# Altium PCB PCB1.PcbDoc (part 2 of 2)
Units mm, origin at the board's own origin, x right, y up, seen from the top; angles counter-clockwise.
Board outline 74.2 x 44.2 mm, 4 copper layers (Top Layer, Signal Layer 1, Signal Layer 2, Bottom Layer), stack 0.778 mm thick; 125 components, 98 nets, 589 pads, 210 vias.
Unrouted connection lines stored in the file: 7.
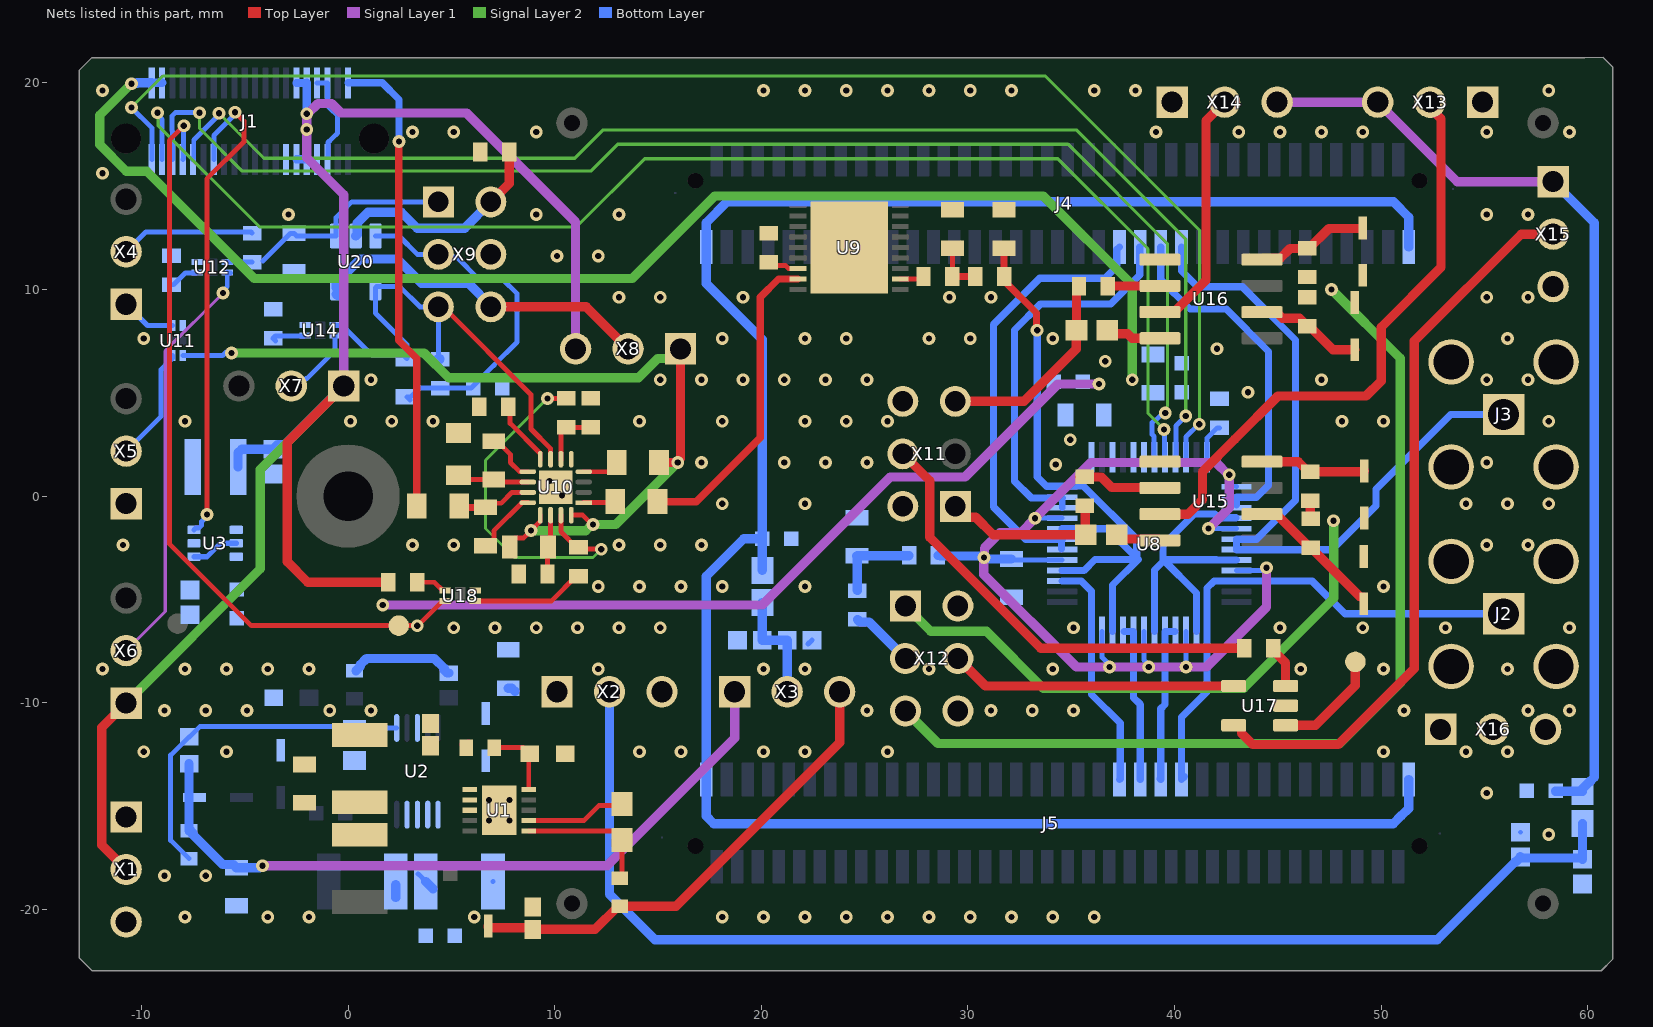
[diagram p4: the nets of this part, all layers, seen from the top]

## Via types
v1: diameter 0.62, hole 0.3, Top Layer to Bottom Layer, tented both sides, 204 vias
v2: diameter 0.62, hole 0.3, Top Layer to Bottom Layer, tented bottom, 6 vias

## Nets (pads, with @x,y where several pads share a name; then routed paths per layer and width w, separated by ;. In a path a pad name is that pad's centre, name@x,y a point inside that pad or via, vN(x,y) a via of type N, cw(c..) or ccw(c..) an arc to the next point about the centre after c; other vN are vias at no path point) (continued)
NetC9_1: C9.1 R6.2 R8.1 U2.1 | length 17
  Bottom Layer w0.24: R6.2@-7.695,-17.554 -8.584,-16.665 -8.584,-12.544 C9.1@-7.695,-11.655 ; C9.1@-7.67,-11.655 -7.177,-11.162 R8.1@0.306,-11.162 ; R8.1@0.376,-11.231 R8.1@0.306,-11.301 0.386,-11.221 U2.1@2.354,-11.221
NetC22_1: C22.1 R12.1 R13.2 | length 2.4
  Top Layer w0.24: R12.1@29.252,10.527 C22.1@29.252,11.802
  Top Layer w0.35: R12.1@29.252,10.627 R13.2@30.352,10.627
NetC24_1: C24.1 C26.1 U10.10 | length 3.6
  Top Layer w0.24: C24.1@5.272,1.182 5.652,0.802 C26.1@7.052,0.802 7.177,0.677 U10.10@8.699,0.677 ; C24.1@5.35,1.182 C24.1@5.352,1.184
NetC25_1: C25.1 C27.1 U10.11 | length 3.7
  Top Layer w0.24: C25.1@5.377,-0.473 C25.1@5.452,-0.548 ; C27.1@6.652,-0.548 6.853,-0.347 7.412,-0.347 7.936,0.177 U10.11@8.699,0.177
  Top Layer w0.35: C25.1@5.452,-0.548 C27.1@6.652,-0.548
NetC26_2: C26.2 U10.9 | length 2.9
  Top Layer w0.24: C26.2@6.996,2.884 C26.2@7.274,2.606 ; C26.2@7.052,2.652 7.227,2.652 7.485,2.394 7.485,2.391 7.852,2.024 7.852,1.627 8.302,1.177 U10.9@8.699,1.177
NetC27_2: C27.2 U10.12 | length 3.2
  Top Layer w0.24: C27.2@6.652,-2.398 6.794,-2.398 7.052,-2.14 7.052,-1.687 8.416,-0.323 U10.12@8.699,-0.323
NetC28_2: C28.2 U15.4 | length 2.9
  Top Layer w0.45: C28.2@37.202,-1.873 37.404,-2.075 39.225,-2.075 U15.4@39.295,-2.145 U15.4@38.6,-2.145
NetC29_2: C29.2 U16.4 | length 2.7
  Top Layer w0.45: C29.2@36.752,8.027 36.927,7.852 37.727,7.852 37.945,7.634 U16.4@39.295,7.634
NetC33_1: C33.1 R16.1 R23.2 | length 4.2
  Bottom Layer w0.45: R16.1@24.652,-4.573 24.64,-4.56 24.64,-2.91 C33.1@24.627,-2.898 24.64,-2.885 27.14,-2.885 R23.2@27.152,-2.873
NetC35_1: C35.1 R14.2 U10.14 | length 2.9
  Top Layer w0.24: R14.2@9.652,-3.773 9.652,-2.498 C35.1@9.677,-2.473 9.802,-2.348 U10.14@9.802,-0.926
NetC39_2: C39.2 U10.1 | length 1.9
  Top Layer w0.24: U10.1@11.405,-0.323 12.877,-0.323 C39.2@12.927,-0.273 C39.2@12.927,-0.654
NetC40_2: C40.2 U10.4 | length 1.8
  Top Layer w0.24: U10.4@11.405,1.177 12.644,1.177 13.002,1.535 C40.2@13.002,1.627
NetD2_2: D2.2 L4.2 U2.6 | length 0
  Bottom Layer w0.24: L4.2@7.009,-18.653 L4.2@7.011,-18.655
NetD5_1: D5.1 R15.2 U15.8 | length 5.2
  Top Layer w0.45: U15.8@44.235,1.665 45.989,1.665 46.477,1.177 R15.2@46.577,1.177 49.16,1.177 49.177,1.194 D5.1@49.177,1.22
NetD6_2: D6.2 R17.2 U15.6 | length 6.7
  Top Layer w0.45: U15.6@44.235,-0.875 44.305,-0.945 45,-0.945 46.377,-2.322 46.377,-2.373 46.502,-2.498 46.702,-2.498 46.827,-2.623 46.827,-2.723 48.992,-4.888 D6.2@49.135,-4.888
NetD7_1: D7.1 R18.2 U16.8 | length 5.5
  Top Layer w0.45: U16.8@44.235,11.444 44.305,11.514 45.121,11.514 45.591,11.984 46.409,11.984 R18.2@46.427,12.002 46.527,12.002 47.477,12.952 D7.1@49.102,12.952
NetD8_2: D8.2 R19.2 U16.6 | length 4.9
  Top Layer w0.45: U16.6@44.235,8.904 44.305,8.834 45,8.834 45.232,8.602 46.052,8.602 R19.2@46.202,8.452 ; R19.2@46.427,8.227 46.527,8.227 47.67,7.084 D8.2@48.727,7.084
NetL1_2: L1.2 U1.2 | length 0.5
  Top Layer w0.24: L1.2@0.56,-11.569 L1.2@1.068,-11.569
NetL5_2: L5.2 U3.5
NetR1_1: R1.1 R2.2 U1.10 | length 3.5
  Top Layer w0.24: R2.2@7.079,-12.178 8.473,-12.178 8.744,-12.449 U1.10@8.744,-14.21
NetR3_1: R3.1 U1.7 | length 4.8
  Top Layer w0.24: U1.7@8.744,-15.71 11.415,-15.71 12.156,-14.969 13.18,-14.969 R3.1@13.252,-14.898
NetR3_2: R3.2 R4.1 U1.6 | length 6.9
  Top Layer w0.24: U1.6@8.744,-16.21 12.866,-16.21 13.252,-16.596 R3.2@13.252,-16.648 13.252,-18.396 R4.1@13.152,-18.496 ; R3.2@12.866,-16.929 12.871,-16.924 R3.2@12.871,-16.648
NetR9_2: R9.2 U8.24 | length 1.7
  Bottom Layer w0.24: U8.24@41.575,1.877 41.575,2.8 42.077,3.302 R9.2@42.177,3.302
NetR12_2: R12.2 U9.2 | length 1.1
  Top Layer w0.24: R12.2@27.828,10.503 R12.2@27.852,10.527
  Top Layer w0.25: U9.2@26.726,10.503 R12.2@27.828,10.503
NetR20_2: R20.2 U12.1 | length 1.5
  Bottom Layer w0.24: R20.2@-8.548,10.227 -8.448,10.227 -7.878,10.797 -7.328,10.797 U12.1@-7.298,10.827
NetR21_1: R21.1 U14.1 | length 1.8
  Bottom Layer w0.24: R21.1@-3.515,7.515 R21.1@-3.631,7.631 -3.515,7.747 -2.103,7.747 U14.1@-2.073,7.777
NetR22_1: R22.1 U9.16 | length 1.7
  Top Layer w0.24: R22.1@20.452,11.327 R22.1@20.352,11.327 20.515,11.164 21.162,11.164 21.307,11.018 21.771,11.018 U9.16@21.778,11.011
NetR25_1: R25.1 U15.2 | length 4.1
  Top Layer w0.45: R25.1@35.406,0.927 36.452,0.927 36.968,0.411 39.279,0.411 U15.2@39.295,0.395
NetR26_1: R26.1 U16.2 | length 2.5
  Top Layer w0.45: R26.1@36.777,10.152 36.788,10.163 39.284,10.163 U16.2@39.295,10.174
NetR27_1: R27.1 U10.8 | length 3.2
  Top Layer w0.24: R27.1@7.752,4.327 7.848,4.231 7.848,3.517 9.302,2.063 U10.8@9.302,1.78
NetR29_1: R29.1 U17.3 | length 2.2
  Top Layer w0.24: R29.1@44.777,-7.373 R29.1@44.777,-7.273
  Top Layer w0.45: R29.1@44.777,-7.373 44.777,-7.473 45.376,-8.072 U17.3@45.376,-9.196
NetR30_1: R30.1 U18.3 | length 1.5
  Top Layer w0.24: R30.1@3.352,-4.173 4.177,-4.173 4.577,-4.573 U18.3@4.702,-4.573
NetR31_1: R31.1 R32.1 U10.15 | length 17.9
  Top Layer w0.24: v1(9.652,4.727) R32.1@10.552,4.727 ; U10.15@10.302,-0.926 10.302,-1.723 11.052,-2.473 R31.1@11.152,-2.473 11.252,-2.573 v1(12.252,-2.573)
  Signal Layer 2 w0.15: v1(9.652,4.727) 6.652,1.727 6.652,-1.573 8.052,-2.973 11.852,-2.973 v1(12.252,-2.573)
NetR31_2: R31.2 U18.1 | length 5.5
  Top Layer w0.24: U18.1@6.152,-5.073 9.852,-5.073 11.052,-3.873 R31.2@11.152,-3.873
NetR32_2: R32.2 R33.1 U10.6 | length 2.9
  Top Layer w0.24: U10.6@10.302,1.78 10.302,3.097 10.532,3.327 R33.1@11.752,3.327
NetU11_1: U11.1 X4.1 | length 2.7
  Bottom Layer w0.24: X4.1@-10.743,9.285 -9.71,8.252 U11.1@-8.498,8.252
NetU11_4: U11.4 X5.2 | length 5.6
  Bottom Layer w0.24: X5.2@-10.743,2.173 -9.048,3.868 -9.048,6.127 -8.498,6.677 U11.4@-8.498,6.802
NetU12_4: U12.4 X6.2 | length 20.9
  Signal Layer 1 w0.15: X6.2@-10.743,-7.479 -8.848,-5.584 -8.848,7.027 v1(-6.048,9.827)
  Bottom Layer w0.24: X6.2@-10.743,-7.479 X6.2@-10.481,-7.217 ; v1(-6.048,9.827) -6.048,9.93 -5.848,10.13 U12.4@-5.848,10.827 -5.818,10.797 U12.4@-5.686,10.797
NetU14_4: U14.4 X7.2 | length 3.6
  Bottom Layer w0.24: X7.2@-2.748,5.327 -2.402,5.327 -2.05,5.679 -1.996,5.679 -0.623,7.052 U14.4@-0.623,7.777
NetU15_3: U15.3 X13.2 | length 29.1
  Top Layer w0.45: U15.3@39.295,-0.875 40.65,-0.875 41.352,-0.173 41.352,1.182 42.916,2.746 45.012,4.842 49.273,4.842 50.002,5.571 50.002,8.177 52.902,11.077 52.902,18.265 52.376,18.791 X13.2@52.376,19.064
NetU16_3: U16.3 X14.2 | length 11.9
  Top Layer w0.45: U16.3@39.295,8.904 39.99,8.904 41.527,10.441 41.527,18.164 X14.2@42.427,19.064
NetU17_1: U17.1 U17_EN.1 | length 5.3
  Top Layer w0.45: U17.1@45.376,-11.096 46.829,-11.096 48.752,-9.173 U17_EN.1@48.752,-8.023
NetU17_5: U17.5 X15.2 | length 35.5
  Top Layer w0.45: U17.5@42.866,-11.096 43.176,-11.096 43.246,-11.166 43.246,-11.476 43.793,-12.023 47.927,-12.023 51.602,-8.348 51.602,7.502 56.777,12.677 X15.2@58.327,12.677
OPAMP+: R10.1 X4.2 | length 6.8
  Bottom Layer w0.24: X4.2@-10.572,11.654 X4.2@-10.743,11.825 -9.789,12.779 -4.7,12.779 R10.1@-4.648,12.727
OPAMP_NEG_IN: C21.1 R11.2 R24.2 U20.3 X9.3 | length 17
  Bottom Layer w0.24: U20.3@1.322,12.587 2.465,12.587 3.354,11.698 X9.3@4.37,11.698 4.495,11.573 5.257,11.573 6.329,10.501 7.472,10.501 8.18,9.793 8.18,7.455 7.052,6.327 R11.2@6.052,5.327 5.952,5.227 R24.2@4.452,5.227 3.452,5.227 3.027,4.802 C21.1@2.852,4.802 C21.1@3.008,4.646
OPAMP_POS_IN: C20.1 R10.2 U12.3 U20.1 X9.1 | length 11.5
  Bottom Layer w0.24: U12.3@-5.848,11.327 R10.2@-4.648,11.327 ; -4.125,11.379 -2.79,12.714 C20.1@-2.615,12.714 -2.488,12.587 U20.1@-0.578,12.587 -0.578,13.481 0.179,14.238 X9.1@4.37,14.238
OPAMP_VCC+: U20.5 X8.2 X9.6 | length 17.1
  Top Layer w0.45: X9.6@6.91,9.158 11.521,9.158 X8.2@13.552,7.127
  Signal Layer 1 w0.45: X9.6@6.91,9.158 X9.6@7.066,9.314
  Bottom Layer w0.45: U20.5@-0.578,9.773 -0.508,9.703 U20.5@-0.456,9.703 ; U20.5@-0.578,10.077 -0.578,10.387 -0.508,10.457 -0.427,10.457 0.589,11.473 2.378,11.473 3.55,10.301 5.825,10.301 6.91,9.216 X9.6@6.91,9.158
OPAMP_VCC-: R28.1 U20.2 X9.2 | length 11
  Top Layer w0.45: X9.2@6.91,14.238 7.799,15.127 R28.1@7.799,16.651
  Bottom Layer w0.45: U20.2@0.372,12.587 0.442,12.657 0.442,13.217 0.968,13.743 2.579,13.743 3.354,12.968 5.64,12.968 X9.2@6.91,14.238
SIGNAL_RX: C25.2 J1.40 | length 22.8
  Top Layer w0.35: v1@2.452,17.159 2.452,7.527 3.327,6.652 C25.2@3.327,-0.473
  Bottom Layer w0.35: J1.40@0,20 1.656,20 2.465,19.191 v1(2.465,17.159)
SIGNAL_RX_RAW: C39.1 U9.17 | length 15.2
  Top Layer w0.35: C39.1@14.977,-0.273 16.852,-0.273 19.952,2.827 19.952,9.627 20.828,10.503 U9.17@21.778,10.503
SIGNAL_TRX_RX: C23.1 R13.1 U8.4 U8.8 U8.12 U8.28 U8.32 U8.38 U8.42 U8.46 | length 47.1
  Top Layer w0.35: R13.1@31.752,10.527 31.752,10.427 33.317,8.862 33.317,8.062 v1(33.352,8.027) ; R13.1@31.752,10.627 C23.1@31.752,12.002
  Bottom Layer w0.35: v1(33.352,8.027) 33.352,0.927 33.805,0.474 U8.12@34.545,0.474 ; U8.12@34.545,0.49 35.589,0.49 38.17,-2.091 38.17,-2.997 ; U8.4@34.565,-3.609 35.616,-3.609 36.155,-3.07 38.243,-3.07 ; U8.8@34.565,-1.577 36.75,-1.577 38.17,-2.997 ; U8.46@37.003,-6.556 37.003,-4.31 38.243,-3.07 ; U8.42@39.035,-6.556 39.035,-3.581 39.443,-3.173 39.443,-3.07 ; U8.38@41.067,-6.556 41.067,-4.694 39.458,-3.086 ; U8.28@42.978,-1.05 42.129,-1.05 41.952,-0.873 40.952,-0.873 39.443,-2.382 39.443,-3.07 ; U8.32@42.997,-3.101 42.052,-3.101 42.036,-3.086 39.458,-3.086 ; 38.17,-2.997 38.243,-3.07 ; 39.443,-3.07 39.458,-3.086
SW_EN: J1.13 U3.6 | length 24.2
  Top Layer w0.24: v1(-6.833,-0.898) -6.833,15.354 -5.048,17.139 -5.048,18.153 v1(-5.47,18.574)
  Bottom Layer w0.24: U3.6@-7.459,-1.637 -7.379,-1.557 -7.229,-1.557 -7.089,-1.416 -7.089,-1.229 -6.833,-0.973 v1(-6.833,-0.898) ; J1.13@-6.5,16.3 -6.5,17.455 -5.47,18.485 v1(-5.47,18.574)
SW_TR1: J4.14 U8.10 U8.11 | length 18.9
  Bottom Layer w0.3: U8.10@34.565,-0.561 U8.11@34.565,-0.088
  Bottom Layer w0.35: U8.11@34.565,-0.088 33.067,-0.088 32.261,0.718 32.261,8.036 33.527,9.302 36.927,9.302 38.323,10.698 J4.14@38.323,12.043
SW_TR2: J4.15 U8.6 U8.7 | length 21.4
  Bottom Layer w0.35: U8.6@34.529,-2.558 34.529,-2.121 U8.7@34.565,-2.085 32.795,-2.085 31.233,-0.523 31.233,8.297 33.473,10.537 36.632,10.537 37.207,11.112 37.207,11.927 J4.15@37.337,12.057
SW_TR3: J5.21 U8.3 U8.48 | length 11.3
  Bottom Layer w0.35: U8.3@34.565,-4.117 35.496,-4.117 35.987,-4.608 35.987,-9.601 37.375,-10.988 37.375,-13.685 J5.21@37.337,-13.723
SW_TR4: J5.22 U8.44 U8.45 | length 7.8
  Bottom Layer w0.35: U8.45@37.554,-6.556 U8.44@38.019,-6.556 38.019,-9.765 38.337,-10.083 J5.22@38.337,-13.723
SW_TR5: J5.23 U8.40 U8.41 | length 7.8
  Bottom Layer w0.35: J5.23@39.295,-13.681 J5.23@39.337,-13.723 39.337,-10.293 39.543,-10.087 U8.41@39.543,-6.556 U8.40@40.022,-6.556
SW_TR6: J2.1 J5.24 U8.34 U8.37 | length 25.1
  Bottom Layer w0.35: J5.24@40.48,-13.58 J5.24@40.337,-13.723 40.337,-10.707 41.575,-9.469 U8.37@41.575,-6.556 41.575,-4.45 41.908,-4.117 46.671,-4.117 48.255,-5.701 J2.1@55.932,-5.701
SW_TR7: J3.1 J4.12 U8.30 U8.31 | length 36.1
  Bottom Layer w0.35: J4.12@40.337,12.057 40.337,10.905 41.114,10.128 43.278,10.128 45.852,7.554 45.852,-0.198 43.965,-2.085 U8.30@42.997,-2.085 ; U8.31@42.997,-2.599 47.626,-2.599 49.752,-0.473 49.752,0.327 53.376,3.951 J3.1@55.932,3.951 ; U8.31@43.003,-2.588 U8.30@43.003,-2.091
SW_TR8: J4.13 U8.26 U8.27 | length 16.9
  Bottom Layer w0.35: J4.13@39.337,12.057 39.337,10.467 40.752,9.052 42.502,9.052 44.552,7.002 44.552,0.527 43.972,-0.053 U8.26@42.997,-0.053 42.997,-0.422
SW_TR_DRV: C34.1 R23.1 U8.5 U8.9 U8.25 U8.29 U8.33 U8.39 U8.43 U8.47 | length 53.3
  Signal Layer 1 w0.45: v1(41.652,-1.573) 42.652,-0.573 v1(42.652,1.027) 42.606,1.027 42.006,1.627 35.952,1.627 v1(33.252,-1.073) 32.552,-1.773 31.552,-1.773 30.806,-2.519 30.806,-2.94 v1(30.773,-2.973) 30.773,-3.794 35.252,-8.273 v1(36.852,-8.273) v1(38.752,-8.273) v1(40.552,-8.273) 41.552,-8.273 44.452,-5.373 v1(44.452,-3.473)
  Bottom Layer w0.24: C34.1@32.102,-3.048 32.155,-3.101 U8.5@34.565,-3.101 ; v1(33.252,-1.073) 33.256,-1.069 U8.9@34.565,-1.069 ; U8.47@36.495,-6.556 36.495,-7.813 36.852,-8.17 v1(36.852,-8.273) ; U8.43@38.527,-6.556 38.527,-7.945 38.752,-8.17 v1(38.752,-8.273) ; v1(40.552,-8.273) 40.559,-8.266 U8.39@40.559,-6.556 ; v1(41.652,-1.573) 41.656,-1.577 U8.29@42.997,-1.577 ; v1(42.652,1.027) 42.652,0.474 42.978,0.474 U8.25@42.997,0.455 ; U8.33@42.997,-3.609 44.316,-3.609 v1(44.452,-3.473)
  Bottom Layer w0.45: R23.1@28.552,-2.873 28.652,-2.873 28.677,-2.898 30.606,-2.898 30.681,-2.973 v1(30.773,-2.973) 30.848,-3.048 C34.1@32.102,-3.048
SW_TR_DRV_RAW: R16.2 X12.3 | length 3.3
  Signal Layer 2 w0.15: X12.3@26.976,-7.86 X12.3@27.214,-7.86
  Bottom Layer w0.45: R16.2@24.652,-5.973 24.777,-6.098 25.214,-6.098 X12.3@26.976,-7.86
Switch_CLK: J1.03 U8.20 | length 66.5
  Signal Layer 2 w0.15: v1(-9.219,18.556) -9.207,18.544 -9.207,17.946 -4.288,13.027 11.052,13.027 14.352,16.327 34.352,16.327 38.717,11.962 38.717,4.001 v1(39.491,3.227)
  Bottom Layer w0.24: v1(-9.219,18.556) -9.219,18.453 -9,18.234 J1.03@-9,16.3 ; v1(39.491,3.227) 39.523,3.194 39.523,1.897 U8.20@39.543,1.877
Switch_CLR: J1.01 U8.22 | length 69.6
  Signal Layer 2 w0.15: v1(-10.489,18.81) -8.965,20.334 33.745,20.334 41.202,12.877 v1(41.202,3.477)
  Bottom Layer w0.24: v1(-10.489,18.81) -9.5,17.821 J1.01@-9.5,16.3 ; U8.22@40.559,1.877 40.559,2.865 41.171,3.477 v1(41.202,3.477)
Switch_D_IN: J1.05 U8.19 | length 65.3
  Signal Layer 2 w0.15: v1(-7.187,18.556) -7.187,17.789 -5.125,15.727 11.752,15.727 13.052,17.027 34.852,17.027 39.652,12.227 39.652,4.35 39.642,4.34 39.642,4.117 v1(39.552,4.027)
  Bottom Layer w0.24: J1.05@-8.5,16.3 -8.5,17.652 -8.529,17.681 -8.529,18.386 -8.359,18.556 v1(-7.187,18.556) ; U8.19@39.035,1.877 39.015,1.897 39.015,2.882 38.911,2.987 38.911,3.551 39.051,3.692 39.114,3.692 39.449,4.027 v1(39.552,4.027)
Switch_LE: J1.09 U8.21 | length 64
  Signal Layer 2 w0.15: v1(-6.248,18.527) -5.041,17.32 -4.071,16.35 10.975,16.35 12.352,17.727 35.252,17.727 40.544,12.435 v1(40.544,3.877)
  Bottom Layer w0.24: J1.09@-7.5,16.3 -7.47,16.33 -7.47,17.236 -6.248,18.458 v1(-6.248,18.527) ; U8.21@40.051,1.877 40.071,1.897 40.071,3.403 v1(40.544,3.877)
TC2320_INPUT: C28.1 R25.2 X11.1 | length 8.3
  Top Layer w0.45: X11.1@29.389,-0.494 29.914,-1.019 30.373,-1.019 31.227,-1.873 C28.1@35.702,-1.873 35.677,-1.848 35.677,-0.498 R25.2@35.652,-0.473
TC2320_OUTPUT: D5.2 D6.1 R15.1 R17.1 X12.1 | length 29
  Top Layer w0.24: R17.1@46.602,-1.098 R17.1@46.702,-1.098
  Top Layer w0.45: R17.1@46.577,-1.223 R15.1@46.577,-0.223
  Signal Layer 2 w0.45: X12.1@26.976,-5.32 28.204,-6.548 30.902,-6.548 33.652,-9.298 43.352,-9.298 47.702,-4.948 v1(47.702,-1.198)
TC6320_INPUT: C29.1 R26.2 X11.5 | length 10
  Top Layer w0.45: X11.5@29.389,4.586 32.711,4.586 35.241,7.116 35.241,8.016 C29.1@35.252,8.027 35.252,9.927 35.377,10.052 R26.2@35.377,10.152
TC6320_OUTPUT: D7.2 D8.1 R18.1 R19.1 X12.5 | length 46.6
  Top Layer w0.24: D8.1@48.691,8.989 48.727,9.025 D8.1@48.727,9.37
  Signal Layer 2 w0.45: X12.5@26.976,-10.4 28.549,-11.973 48.002,-11.973 50.927,-9.048 50.927,6.676 v1(47.602,10.001)
UCC27537_INPUT: R29.2 X11.4 | length 22
  Top Layer w0.45: X11.4@26.849,2.046 28.152,0.743 28.152,-1.998 33.527,-7.373 R29.2@43.377,-7.373
UCC27537_OUTPUT: U17.4 X12.4 | length 13.9
  Top Layer w0.45: X12.4@29.516,-7.86 30.852,-9.196 U17.4@42.866,-9.196
USS_GND: C1.2 C2.2 C3.2 C5.2 C7.1 C10.2 C11.2 C12.2 C13.2 C14.2 C15.2 C16.2 C17.2 C18.2 C19.2 C20.2 C22.2 C23.2 C24.2 C30.2 C31.2 C32.2 C33.2 C34.2 C36.2 D3.1 J1.27 J1.33 J1.34 J1.35 J1.36 J2.2 J2.3 J2.4 J2.5 J3.2 J3.3 J3.4 J3.5 R1.2 R7.2 R8.2 R9.1 R11.1 R14.1 R20.1 R21.2 R22.2 R27.2 R28.2 R33.2 U1.11 U2.3 U2.7 U2.9 U3.3 U8.13 U8.17 U9.19 U10.5 U10.17 U11.2 U12.2 U14.2 U15.1 U16.1 U17.2 U18.2 X5.1 X9.4 X11.2 X11.6 X12.2 X12.6 X13.1 X14.1 X15.3 X16.1 X16.2 X16.3 | length 4.8
  Bottom Layer w0.24: J1.34@-1.5,20 J1.36@-1,20 -1,18.896 -0.859,18.755 -0.851,18.755 -0.507,18.412 -0.507,17.574 -0.762,17.32 -0.97,17.112 J1.35@-0.97,16.375 ; C31.2@22.261,-7.164 C31.2@22.453,-6.973
  other v1: -7.889,-20.375 -3.889,-20.375 -1.889,-20.375 6.111,-20.375 18.111,-20.375 20.111,-20.375 22.111,-20.375 24.111,-20.375 26.111,-20.375 28.111,-20.375 30.111,-20.375 32.111,-20.375 34.111,-20.375 36.111,-20.375 -8.889,-18.375 -6.889,-18.375 58.111,-16.375 55.111,-14.375 -9.889,-12.375 -5.889,-12.375 14.111,-12.375 16.111,-12.375 20.111,-12.375 22.111,-12.375 26.111,-12.375 50.111,-12.375 54.111,-12.375 56.111,-12.375 -8.889,-10.375 -6.889,-10.375 -4.889,-10.375 -0.889,-10.375 1.111,-10.375 25.111,-10.375 31.111,-10.375 33.111,-10.375 35.111,-10.375 51.111,-10.375 57.111,-10.375 59.111,-10.375 -11.889,-8.375 -7.889,-8.375 -5.889,-8.375 -3.889,-8.375 -1.889,-8.375 12.111,-8.375 20.111,-8.375 22.111,-8.375 28.111,-8.375 34.111,-8.375 46.111,-8.375 50.111,-8.375 56.111,-8.375 5.111,-6.375 7.111,-6.375 9.111,-6.375 11.111,-6.375 13.111,-6.375 15.111,-6.375 35.111,-6.375 45.111,-6.375 49.111,-6.375 53.111,-6.375 59.111,-6.375 12.111,-4.375 14.111,-4.375 16.111,-4.375 18.111,-4.375 22.111,-4.375 50.111,-4.375 -10.889,-2.375 3.111,-2.375 5.111,-2.375 13.111,-2.375 15.111,-2.375 17.111,-2.375 55.111,-2.375 57.111,-2.375 18.111,-0.375 22.111,-0.375 54.111,-0.375 56.111,-0.375 58.111,-0.375 34.252,1.527 17.111,1.625 21.111,1.625 23.111,1.625 25.111,1.625 55.111,1.625 34.952,2.727 -7.889,3.625 0.111,3.625 2.111,3.625 4.111,3.625 14.111,3.625 18.111,3.625 22.111,3.625 24.111,3.625 26.111,3.625 48.111,3.625 50.111,3.625 58.111,3.625 43.552,5.027 1.111,5.625 15.111,5.625 17.111,5.625 19.111,5.625 21.111,5.625 23.111,5.625 25.111,5.625 47.111,5.625 55.111,5.625 57.111,5.625 36.652,6.527 42.052,7.127 -9.889,7.625 18.111,7.625 22.111,7.625 24.111,7.625 28.111,7.625 30.111,7.625 34.111,7.625 56.111,7.625 13.111,9.625 15.111,9.625 19.111,9.625 29.111,9.625 31.111,9.625 55.111,9.625 57.111,9.625 10.111,11.625 12.111,11.625 -2.889,13.625 9.111,13.625 13.111,13.625 55.111,13.625 57.111,13.625 -11.889,15.625 3.111,17.625 5.111,17.625 9.111,17.625 39.111,17.625 43.111,17.625 45.111,17.625 47.111,17.625 49.111,17.625 55.111,17.625 59.111,17.625 -11.889,19.625 20.111,19.625 22.111,19.625 24.111,19.625 26.111,19.625 28.111,19.625 30.111,19.625 32.111,19.625 36.111,19.625 38.111,19.625 58.111,19.625
  other v2: 6.819,-15.71 7.819,-15.71 6.819,-14.71 7.819,-14.71 10.352,0.027 9.752,0.727
VCC_AFE_CONN: C14.1 J1.29 J1.30 J1.31 J1.32 L5.1 R30.2 U3.1 X1.2 X6.1 X7.1 X8.3 | length 91.2
  Top Layer w0.45: X1.2@-10.743,-18.073 -11.923,-16.893 -11.923,-11.199 X6.1@-10.743,-10.019 ; X7.1@-0.208,5.327 -2.948,2.587 -2.948,-3.173 -1.948,-4.173 R30.2@1.952,-4.173
  Signal Layer 1 w0.45: X7.1@-0.208,5.327 -0.208,14.587 -2,16.379 v1(-2,17.739) v1(-2,18.5) -1.954,18.5 -1.454,19 -0.8,19 -0.342,18.542 5.737,18.542 11.012,13.267 X8.3@11.012,7.127
  Signal Layer 2 w0.45: X6.1@-10.743,-10.019 -4.248,-3.524 -4.248,1.287 X7.1@-0.208,5.327
  Bottom Layer w0.4: J1.29@-2.5,16.3 J1.31@-2,16.3 J1.32@-2,20 ; J1.30@-2.496,19.996 J1.32@-2.004,19.996
  Bottom Layer w0.45: L5.1@-5.325,1.411 -5.325,2.091 -5.15,2.266 C14.1@-3.631,2.266 -3.403,2.493 -3.042,2.493 X7.1@-0.208,5.327
VCC_AFE_LT1945: C5.1 L3.1 L4.1 U2.8 X1.3 | length 1.8
  Bottom Layer w0.24: X1.3@-10.743,-20.613 X1.3@-10.608,-20.613 ; L4.1@3.388,-18.282 L4.1@3.761,-18.655
  Bottom Layer w0.45: L3.1@2.312,-19.43 L3.1@2.312,-18.809 ; L4.1@3.761,-18.655 L4.1@4.111,-19.005
VCC_AFE_LT3463: C1.1 L1.1 L2.1 U1.3 X1.1 | length 0.3
  Top Layer w0.45: L1.1@0.247,-14.819 L1.1@0.56,-14.819
VCC_HV_NEG_IN: C30.1 C31.1 FB2.1 X3.2 | length 5.5
  Bottom Layer w0.45: C30.1@20.053,-6.973 C31.1@21.251,-6.973 ; C30.1@20.053,-6.973 FB2.1@20.052,-5.149 ; X3.2@21.252,-9.473 C31.1@21.251,-6.973
VCC_HV_NEG_OUT: C32.1 FB2.2 J4.1 J4.35 J5.1 J5.35 | length 105.1
  Bottom Layer w0.24: J5.1@17.33,-13.73 J5.1@17.337,-13.723
  Bottom Layer w0.45: J5.1@17.33,-13.73 17.33,-15.486 17.705,-15.861 50.585,-15.861 50.966,-15.48 50.979,-15.48 51.337,-15.122 J5.35@51.337,-13.723 ; J5.1@17.337,-13.723 17.337,-3.888 19.152,-2.073 C32.1@20.052,-2.073 ; FB2.2@20.052,-3.597 C32.1@20.052,-2.073 ; J4.1@51.337,12.057 51.337,13.499 50.598,14.238 18.34,14.238 17.337,13.235 J4.35@17.337,12.057 17.337,10.288 20.052,7.573 C32.1@20.052,-2.073
VCC_HV_POS_IN: C11.1 C12.1 FB1.1 X2.2 | length 61.5
  Bottom Layer w0.45: X2.2@12.652,-9.183 X2.2@12.652,-9.473 12.652,-19.273 14.852,-21.473 52.718,-21.473 56.49,-17.701 56.524,-17.701 56.735,-17.49 C11.1@56.735,-17.456 ; C11.1@56.752,-17.474 56.801,-17.523 59.703,-17.523 C12.1@59.752,-17.572 FB1.1@59.752,-15.849
VCC_HV_POS_OUT: C13.1 FB1.2 X13.3 X14.3 X15.1 | length 46.9
  Signal Layer 1 w0.45: X14.3@44.967,19.064 X13.3@49.836,19.064 53.683,15.217 X15.1@58.327,15.217
  Bottom Layer w0.45: X15.1@58.327,15.217 60.321,13.223 60.321,-13.605 FB1.2@60.057,-13.869 ; C13.1@58.44,-14.285 C13.1@58.452,-14.273 58.464,-14.285 59.74,-14.285 FB1.2@59.752,-14.297 59.752,-14.173 FB1.2@60.056,-13.869
VCC_SW_REG_OUT: C15.1 C16.1 C17.1 C36.1 U3.2 U3.4 U8.15 | length 41.4
  Signal Layer 1 w0.45: v1(1.677,-5.273) 20.052,-5.273 26.246,0.921 29.855,0.921 34.361,5.427 v1(36.352,5.427)
  Bottom Layer w0.25: U3.4@-7.459,-2.937 -6.821,-2.937 -6.171,-2.287 U3.2@-5.409,-2.287
"VGA GAIN": C21.2 R24.1 U10.7 U14.3 U20.4 X9.5 | length 24.1
  Top Layer w0.24: X9.5@4.37,9.158 4.603,9.158 8.852,4.909 8.852,3.245 9.802,2.296 U10.7@9.802,1.78
  Bottom Layer w0.24: U14.3@-0.623,8.277 -0.593,8.247 -0.268,8.247 1.152,6.827 2.502,6.827 2.677,6.827 C21.2@2.852,6.652 2.852,7.327 1.322,8.857 U20.4@1.322,10.077 1.378,10.133 2.506,10.133 3.481,9.158 X9.5@4.37,9.158 R24.1@4.37,6.64
  Bottom Layer w0.45: R24.1@4.37,6.64 4.44,6.64 R24.1@4.452,6.627
VGA_EN: J1.07 U18.4 VGA_EN.1 | length 37.7
  Top Layer w0.24: v1(-7.949,17.921) -8.648,17.222 -8.648,-2.31 -4.685,-6.273 v1(3.352,-6.273) 3.377,-6.273 4.577,-5.073 U18.4@4.702,-5.073
  Bottom Layer w0.24: J1.07@-8,16.3 -7.975,16.326 -7.975,17.895 v1(-7.949,17.921)
VGA_VREF: C35.2 C40.1 U10.13 U10.16 U11.3 X8.1 | length 43.9
  Top Layer w0.24: C35.2@7.827,-2.473 7.827,-2.298 8.085,-2.04 8.485,-2.04 v1(8.852,-1.673) 9.302,-1.223 U10.13@9.302,-0.926 ; U10.16@10.802,-0.926 11.351,-0.926 11.798,-1.373 v1(11.852,-1.373)
  Top Layer w0.45: C40.1@15.052,1.627 v1(15.952,1.627) 15.952,1.673 16.092,1.813 X8.1@16.092,7.127
  Signal Layer 2 w0.45: v1(-5.648,6.927) 3.675,6.927 4.875,5.727 14.052,5.727 14.985,6.66 15.625,6.66 X8.1@16.092,7.127 ; v1(8.852,-1.673) 11.506,-1.673 11.806,-1.373 12.952,-1.373 v1(15.952,1.627)
  Bottom Layer w0.24: U11.3@-7.998,6.802 -6.073,6.802 -5.897,6.978 -5.699,6.978 v1(-5.648,6.927)
  Bottom Layer w0.45: v1(11.852,-1.373) v1@11.927,-1.373
VOUT_NEG_1: C3.1 D1.2 R4.2 X3.3 | length 23.3
  Top Layer w0.45: D1.2@6.783,-20.814 6.783,-20.877 6.8,-20.894 8.862,-20.894 C3.1@8.942,-20.974 11.951,-20.974 13.075,-19.85 R4.2@13.152,-19.85 15.875,-19.85 23.792,-11.933 X3.3@23.792,-9.473
VOUT_NEG_2: C9.2 C10.1 D4.2 R6.1 X3.1 | length 35.3
  Signal Layer 1 w0.45: v1(-4.139,-17.893) 12.532,-17.893 18.712,-11.713 X3.1@18.712,-9.473
  Bottom Layer w0.45: C9.2@-7.695,-12.955 R6.1@-7.695,-16.2 -7.618,-16.2 -7.514,-16.305 -7.514,-16.381 -6.064,-17.831 -5.562,-17.831 C10.1@-5.409,-17.984 -4.276,-17.984 -4.185,-17.893 v1(-4.139,-17.893)
VOUT_POS_1: C2.1 R2.1 U1.1 X2.3 | length 0.6
  Top Layer w0.45: C2.1@3.809,-11.904 C2.1@3.989,-12.084 ; R2.1@5.621,-12.039 R2.1@5.725,-12.143 ; R2.1@5.725,-12.178 R2.1@5.725,-12.143 ; R2.1@5.83,-11.997 5.725,-12.101 R2.1@5.725,-12.143
VOUT_POS_2: C6.2 C7.2 D2.1 R5.2 X2.1 | length 5.5
  Bottom Layer w0.45: R5.2@0.383,-8.453 0.592,-8.244 0.592,-8.167 0.897,-7.863 4.176,-7.863 4.653,-8.34 4.653,-8.415 4.803,-8.565 C6.2@4.878,-8.565 ; C7.2@7.752,-9.298 7.927,-9.298 C7.2@8.08,-9.451
VSYS_MCU: C18.1 C19.1 J1.02 J1.04 U8.18 | length 65.8
  Signal Layer 2 w0.45: v1(-10.489,19.953) -12.017,18.425 -12.017,17.011 -10.733,15.727 -9.748,15.727 -4.548,10.527 13.752,10.527 17.752,14.527 33.652,14.527 37.952,10.227 v1(37.952,5.627)
  Bottom Layer w0.4: J1.02@-9.5,20 J1.04@-9,20
  Bottom Layer w0.45: v1(-10.489,19.953) -10.456,19.986 -10.202,19.986 -10.188,20 J1.02@-9.5,20
pads on no net: J1. J1.06 J1.08 J1.10 J1.11 J1.12 J1.14 J1.16 J1.18 J1.19 J1.20 J1.22 J1.23 J1.24 J1.25 J1.26 J1.28 J1.37 J1.39 J4. J4.2 J4.3 J4.4 J4.5 J4.6 J4.7 J4.8 J4.9 J4.10 J4.11 J4.16 J4.17 J4.18 J4.19 J4.20 J4.21 J4.22 J4.23 J4.24 J4.25 J4.26 J4.27 J4.28 J4.29 J4.30 J4.31 J4.32 J4.33 J4.34 J4.36 J4.37 J4.38 J4.39 J4.40 J4.41 J4.42 J4.43 J4.44 J4.45 J4.46 J4.47 J4.48 J4.49 J4.50 J4.51 J4.52 J4.53 J4.54 J4.55 J4.56 J4.57 J4.58 J4.59 J4.60 J4.61 J4.62 J4.63 J4.64 J4.65 J4.66 J4.67 J4.68 J4.69 J4.B1 J4.B2 J5. J5.2 J5.3 J5.4 J5.5 J5.6 J5.7 J5.8 J5.9 J5.10 J5.11 J5.12 J5.13 J5.14 J5.15 J5.16 J5.17 J5.18 J5.19 J5.20 J5.25 J5.26 J5.27 J5.28 J5.29 J5.30 J5.31 J5.32 J5.33 J5.34 J5.36 J5.37 J5.38 J5.39 J5.40 J5.41 J5.42 J5.43 J5.44 J5.45 J5.46 J5.47 J5.48 J5.49 J5.50 J5.51 J5.52 J5.53 J5.54 J5.55 J5.56 J5.57 J5.58 J5.59 J5.60 J5.61 J5.62 J5.63 J5.64 J5.65 J5.66 J5.67 J5.68 J5.69 J5.B1 J5.B2 M1.1 U8.1 U8.2 U8.14 U8.16 U8.23 U8.35 U8.36 U9.1 U9.3 U9.4 U9.5 U9.6 U9.7 U9.8 U9.9 U9.10 U9.11 U9.12 U9.13 U9.14 U9.15 U9.18 U10.2 U10.3 U11.5 U12.5 U14.5 U15.5 U15.7 U16.5 U16.7 U18.5

## Polygon pours and split planes (outlines as drawn)
USS_GND on Bottom Layer "NONET_L04_P-001" (solid, remove dead copper, pour order 138): -12.394,21.223 -13,20.617 -13,-22.367 -12.394,-22.973 60.652,-22.973 61.2,-22.425 61.2,20.779 60.756,21.223
VOUT_POS_2 on Bottom Layer "VOUT_POS_2_L04_P133" (solid, pour order 133): 4.463,-8.928 4.49,-8.954 5.44,-8.954 6.469,-9.984 6.462,-9.991 6.462,-11.067 6.846,-11.067 6.852,-11.073 7.702,-10.223 10.866,-10.223 10.866,-8.787 10.801,-8.722 6.901,-8.722 6.356,-8.177 5.348,-8.177 4.47,-8.177
SIGNAL_TRX_RX on Bottom Layer "SIGNAL_TRX_RX_L04_P135" (solid, pour order 135): 36.527,-1.173 36.527,-3.523 37.577,-4.573 40.127,-4.573 41.027,-3.673 41.027,-1.198 40.152,-0.323 37.377,-0.323
VSYS_MCU on Bottom Layer "VSYS_MCU_L04_P130" (solid, pour order 130): 39.105,4.62 39.105,4.58 38.664,3.727 38.664,1.692 38.404,1.692 38.398,1.687 38.404,2.589 37.846,5.033 37.434,5.445 37.434,5.809 37.706,6.081 38.207,6.081 38.908,5.381 40.695,5.381 40.678,4.685 40.016,4.685 39.952,4.62
VCC_SW_REG_OUT on Bottom Layer "VCC_SW_REG_OUT_L04_P129" (solid, pour order 129): 35.477,5.202 35.199,5.202 35.199,5.881 35.204,5.876 36.601,5.876 36.802,5.675 36.802,4.677 36.954,4.468 37.152,1.522 37.123,1.493 36.852,1.493 36.852,2.627 36.199,3.374 36.199,4.468 36.205,4.474
NetL5_2 on Bottom Layer "NETL5_2_L04_P131" (solid, pour order 131): -7.135,0.05 -7.29,-0.105 -7.928,-0.105 -7.928,-0.123 -8.098,-0.281 -8.098,-1.959 -7.978,-2.079 -7.141,-2.079 -7.141,-2.469 -7.147,-2.474 -8.748,-2.474 -8.973,-2.249 -8.973,1.681 -7.888,2.766 -7.128,2.766
VCC_SW_REG_OUT on Bottom Layer "VCC_SW_REG_OUT_L04_P136" (solid, pour order 136): -7.135,-2.764 -7.123,-2.776 -7.123,-3.323 -6.548,-3.898 1.577,-3.898 2.227,-4.548 2.227,-5.748 1.677,-6.298 -3.598,-6.298 -4.898,-4.998 -8.123,-4.998 -8.123,-3.123 -7.723,-2.723 -7.198,-2.723
VCC_AFE_CONN on Bottom Layer "VCC_AFE_CONN_L04_P128" (solid, pour order 128): -4.944,1.404 -4.937,1.397 -4.928,0.065 -5.101,-1.725 -5.101,-1.815 -5.735,-1.824 -5.735,-1.784 -5.708,1.391 -5.715,1.397
NetD2_2 on Bottom Layer "NETD2_2_L04_P134" (solid, remove dead copper, pour order 134): 6.861,-13.36 6.851,-13.369 6.455,-13.369 6.455,-13.395 5.513,-14.629 5.513,-15.975 6.437,-17.315 7.591,-17.315 7.591,-20.005 7.586,-20.001 6.437,-20.001 6.433,-20.005 5.419,-17.551 4.239,-16.026 4.239,-14.214 6.185,-12.268 6.849,-12.268
NetC8_1 on Bottom Layer "NETC8_1_L04_P132" (solid, pour order 132): 2.376,-16.098 0.843,-16.098 -0.387,-17.328 -0.387,-20.007 -1.506,-20.007 -1.517,-19.997 -1.506,-19.986 -1.506,-17.328 -1.501,-17.328 -0.502,-15.694 -0.502,-15.01 0.398,-14.874 2.35,-14.743
VCC_AFE_LT1945 on Bottom Layer "VCC_AFE_LT1945_L04_P137" (solid, remove dead copper, pour order 137): 4.089,-20.251 4.089,-21.636 3.752,-21.973 -10.648,-21.973 -11.648,-20.973 -11.648,-20.073 -11.248,-19.673 -9.648,-19.673 -8.248,-21.073 0.675,-21.073 1.052,-20.696 1.714,-20.034 1.714,-17.334 2.347,-17.14 2.727,-16.877 3.227,-16.037 3.227,-15.329 3.476,-15.329 3.476,-16.012 4.326,-17.214 4.326,-20.011 4.328,-20.012
USS_GND on Top Layer "NONET_L04_P-001" (solid, remove dead copper, pour order 125): -12.394,21.223 -13,20.617 -13,-22.367 -12.394,-22.973 60.652,-22.973 61.2,-22.425 61.2,20.779 60.756,21.223
VOUT_POS_1 on Top Layer "VOUT_POS_1_L01_P121" (solid, pour order 121): 6.038,-11.785 6.217,-11.606 14.919,-11.606 16.352,-10.173 16.352,-8.773 15.752,-8.173 14.652,-8.173 13.952,-8.873 13.952,-9.973 13.352,-10.573 6.575,-10.573 6.402,-10.4 5.152,-10.4 4.552,-11.606 3.562,-11.606 3.562,-12.504 5.536,-14.32 6.244,-14.31 6.244,-12.782 6.021,-12.559 6.038,-12.542
VCC_AFE_LT3463 on Top Layer "VCC_AFE_LT3463_L01_P124" (solid, pour order 124): -2.95,-16.255 -11.281,-16.255 -11.281,-14.834 -11.222,-14.775 -2.962,-14.775 -2.652,-14.465 -1.014,-14.465 -0.793,-14.243 1.885,-14.243 4.243,-14.972 5.906,-15.091 5.911,-15.336 4.739,-15.388 1.922,-16.957 -2.247,-16.957
TC2320_OUTPUT on Top Layer "TC2320_OUTPUT_L01_P120" (solid, pour order 120): 46.127,0.127 46.152,0.102 46.152,-1.448 47.027,-1.448 48.952,-3.473 49.352,-3.473 49.377,-3.448 49.377,-0.523 47.677,-0.523 47.027,0.127
TC6320_OUTPUT on Top Layer "TC6320_OUTPUT_L01_P119" (solid, pour order 119): 48.927,8.827 49.302,10.148 49.302,11.227 48.927,11.227 48.527,11.177 45.977,10.952 45.977,9.277 46.988,9.277 48.527,8.827
NetC4_2 on Top Layer "NETC4_2_L01_P118" (solid, pour order 118): 5.551,-16.085 5.551,-16.98 4.586,-17.945 4.586,-18.613 6.109,-18.613 6.576,-19.081 6.993,-19.081 6.993,-17.985 6.998,-17.98 6.229,-17.211 6.229,-16.085
NetC4_1 on Top Layer "NETC4_1_L01_P123" (solid, pour order 123): 5.908,-15.592 4.878,-15.592 1.721,-18.301 -0.783,-19.068 -0.791,-19.068 -0.791,-20.206 -0.783,-20.215 -0.774,-20.206 2.277,-20.206 3.903,-18.58 3.903,-17.927 5.321,-15.972 5.564,-15.815 5.901,-15.815
NetL1_2 on Top Layer "NETL1_2_L01_P122" (solid, pour order 122): 5.914,-14.597 5.259,-14.464 4.41,-14.027 2.984,-13.183 1.905,-12.103 1.905,-11.013 -0.778,-11.013 -0.77,-11.02 -0.77,-12.118 0.535,-12.856 2.349,-13.9 3.661,-14.464 4.791,-14.829 5.914,-14.829
USS_GND on Signal Layer 2 "NONET_L04_P-001" (solid, remove dead copper, pour order 127): -12.394,21.223 -13,20.617 -13,-22.367 -12.394,-22.973 60.652,-22.973 61.2,-22.425 61.2,20.779 60.756,21.223
USS_GND on Signal Layer 1 "NONET_L04_P-001" (solid, remove dead copper, pour order 126): -12.394,21.223 -13,20.617 -13,-22.367 -12.394,-22.973 60.652,-22.973 61.2,-22.425 61.2,20.779 60.756,21.223 59.742,21.223

## Silkscreen, mask and mechanical layers (free items; w line width, h text height)
Top Overlay:
  lines w0.254: 8.6,9.7 9.15,9.7 9.9,9.7 10.8,9.7 ; 13.4,8.7 13.4,9 ; -3.148,-20.773 -3.148,-9.973 -2.048,-8.873 6.452,-8.873 8.297,-10.718 13.397,-10.718 15.352,-12.673 15.352,-16.273 15.852,-16.773 20.152,-16.773 20.652,-17.273 20.652,-21.973 -1.948,-21.973 -3.148,-20.773 ; -2.848,-4.073 -2.848,1.827 -1.448,3.227 1.652,3.227 4.307,5.882 8.997,5.882 18.397,5.882 19.252,5.027 19.252,-5.873 -1.048,-5.873 -2.848,-4.073 ; 18.179,8.527 18.433,8.273 33.598,8.273 33.852,8.527 33.852,17.873 33.598,18.127 18.433,18.127 18.179,17.873 18.179,8.527 ; 37.952,-14.519 38.206,-14.773 50.852,-14.773 51.106,-14.519 51.106,14.373 50.852,14.627 38.206,14.627 37.952,14.373 37.952,-14.519
  text "T/R SWITCH" at 22.052,16.827 h0.75
  text "GND" at 53.8,16.4 h0.75
  text "SP_ / U16" at 43.552,15.288 h0.75 r90
  text "GND" at 40.057,15.127 h0.75 r90
  text "VCC_HV_ / POS_OUT" at 45.1,15 h0.75
  text "SP_ / U15" at 53.2,14.736 h0.75 r90
  text "INT_EN" at -9.092,13.778 h0.75
  text "OPAMP / _POS_IN" at -2.661,13.527 h0.75
  text "OPAMP / _VCC-" at 8.561,13.095 h0.75
  text "VCC_HV_ / POS_OUT" at 50.712,12.6 h0.75
  text "GND" at 8.752,11.627 h0.75
  text "OPAMP+" at -9.092,11.238 h0.75
  text "SP_U17" at 52.236,10.8 h0.75
  text "OPAMP / _NEG_IN" at -2.713,10.6 h0.75
  text "OPAMP / _VCC+" at 10.952,9.027 h0.75
  text "VGA_VREF" at 16.852,9.027 h0.75 r90
  text "VGA_VREF" at -9.498,8.518 h0.75
  text "VGA_GAIN" at -3.338,8.5 h0.75
  text "GND" at 54,8.5 h0.75
  text "INT_EN" at -8.948,6.927 h0.75
  text "SW_U14" at -3.748,6.927 h0.75
  text "GND" at 22.952,3.999 h0.75
  text "TC6320 / _INPUT" at 30.952,3.527 h0.75
  text "INT_EN" at -9.148,2.627 h0.75
  text "CH0_OUT" at 30.852,1.527 h0.75
  text "UCC2753 / 7_INPUT" at 19.337,0.895 h0.75
  text "SW_U11" at -9.148,0.627 h0.75
  text "GND" at 22.952,-1.002 h0.75
  text "GND" at -9.148,-1.173 h0.75
  text "TC2320 / _INPUT" at 30.659,-1.51 h0.75
  text "TC2320 / _OUTPUT" at 19.914,-3.773 h0.75
  text "VGA" at 15.579,-4.273 h0.75
  text "INT_EN" at -9.248,-5.473 h0.75
  text "GND" at 31.136,-5.907 h0.75
  text "SW_TR_ / DRV_RAW" at 19.801,-6.573 h0.75
  text "POS_2" at 5.552,-7.373 h0.75
  text "POS_IN" at 9.952,-7.473 h0.75
  text "POS_1" at 15.352,-7.473 h0.75
  text "SW_U12" at -9.148,-8.073 h0.75
  text "UCC2753 / 7_OUTPUT" at 31.167,-9.011 h0.75
  text "GND" at 31.136,-10.987 h0.75
  text "VCC_AFE / _CONN" at -9.148,-11.673 h0.75
  text "GND" at 51.614,-13.702 h0.75
  text "GND" at 54.281,-13.702 h0.75
  text "GND" at 56.948,-13.702 h0.75
  text "GATE DRIVERS" at 39.652,-14.273 h0.75
  text "TC6320 / _OUTPUT" at 24.814,-14.673 h0.75
  text "NEG_1" at 23.952,-15.173 h0.75 r90
  text "NEG_2" at 19.052,-15.273 h0.75 r90
  text "LT3463" at -9.048,-15.773 h0.75
  text "NEG_IN" at 21.652,-15.973 h0.75 r90
  text "WULPUS HV TGC /  Eval. PCB v1.0" at 20.652,-18.973 h1
  text "VCC_AFE / _CONN" at -9.148,-19.573 h0.75
  text "LT3463  / POWER  / SUPPLY" at 15.352,-21.173 h0.75
  text "LT1945" at -9.048,-21.273 h0.75
  text "Ciara Giles Doran, / Sergei Vostrikov" at 22.252,-21.773 h0.75
Bottom Overlay:
  lines w0.254: -8.838,-6.773 -9.092,-7.027 -9.092,-22.319 -8.838,-22.573 8.307,-22.573 8.561,-22.319 8.561,-7.027 8.307,-6.773 ; -8.838,-6.773 8.307,-6.773 ; -8.838,-6.773 -9.092,-6.519 -9.092,3.373 -8.838,3.627 ; -8.838,-6.773 8.307,-6.773 ; -8.838,3.627 8.307,3.627 ; -8.838,3.627 -8.848,3.627 -9.248,4.027 -9.248,14.527 -8.648,15.127 2.552,15.127 2.952,15.527 8.352,15.527 8.552,15.327 8.552,3.872 8.307,3.627 ; 8.307,-6.773 8.561,-6.519 8.561,3.373 8.307,3.627 ; 9.24,-22.338 9.494,-22.592 60.498,-22.592 60.752,-22.338 60.752,20.177 60.498,20.431 9.494,20.431 9.24,20.177 9.24,-22.338 ; 13.352,-7.619 13.606,-7.873 23.42,-7.873 23.674,-7.619 23.674,1.473 23.42,1.727 13.606,1.727 13.352,1.473 13.352,-7.619 ; 31.04,-9.219 31.294,-9.473 50.598,-9.473 50.852,-9.219 50.852,9.031 50.598,9.285 31.294,9.285 31.04,9.031 31.04,-9.219
  text "VGA / CONTROL" at 8.252,16.027 h0.75
  text "PI FILTER" at 21.452,0.027 h0.75
  text "+5V" at 7.852,-0.273 h0.75
  text "BOOST" at 7.952,-1.773 h0.75
  text "DC_DC" at 7.952,-3.473 h0.75
  text "HV MUX" at 49.852,-8.973 h0.75
  text "LT1945 DC_DC" at 1.152,-22.073 h0.75
Mechanical 4 (Mech4):
  lines w0: -12.648,-22.719 -12.648,20.969 -12.394,21.223 59.852,21.223 60.752,21.227 60.952,21.027 60.952,-22.673 60.652,-22.973 -12.394,-22.973 -12.648,-22.719

## Text inside footprints (layer, text, board x,y; h text height)
D1: Top 3D Body "*" at 6.148,-18.706 h0.75 r270; Top Overlay "*" at 6.148,-17.276 h0.75 r270
D2: Bottom Overlay "*" at 7.291,-9.275 h0.75 r90; Bottom 3D Body "*" at 7.291,-10.705 h0.75 r90
D3: Bottom Overlay "*" at -2.615,-11.053 h0.75 r90; Bottom 3D Body "*" at -2.615,-12.483 h0.75 r90
D4: Bottom Overlay "*" at -3.903,-15.226 h0.75; Bottom 3D Body "*" at -5.333,-15.226 h0.75
D5: Top 3D Body "*" at 48.542,1.042 h0.75 r270; Top Overlay "*" at 48.542,2.472 h0.75 r270
D6: Top 3D Body "*" at 48.517,-3.108 h0.75 r270; Top Overlay "*" at 48.517,-1.678 h0.75 r270
D7: Top 3D Body "*" at 48.467,12.792 h0.75 r270; Top Overlay "*" at 48.467,14.222 h0.75 r270
D8: Top 3D Body "*" at 48.092,9.192 h0.75 r270; Top Overlay "*" at 48.092,10.622 h0.75 r270
U8: Bottom Overlay "*" at 32.881,-5.133 h0.75 r180; Bottom 3D Body "*" at 35.339,-4.752 h0.75 r180